# Altium PCB 磁导航.PcbDoc (part 3 of 3)
Units mm, origin at the board's own origin, x right, y up, seen from the top; angles counter-clockwise.
Board outline 190 x 34 mm, 2 copper layers (Top Layer, Bottom Layer); 294 components, 233 nets, 993 pads, 221 vias.
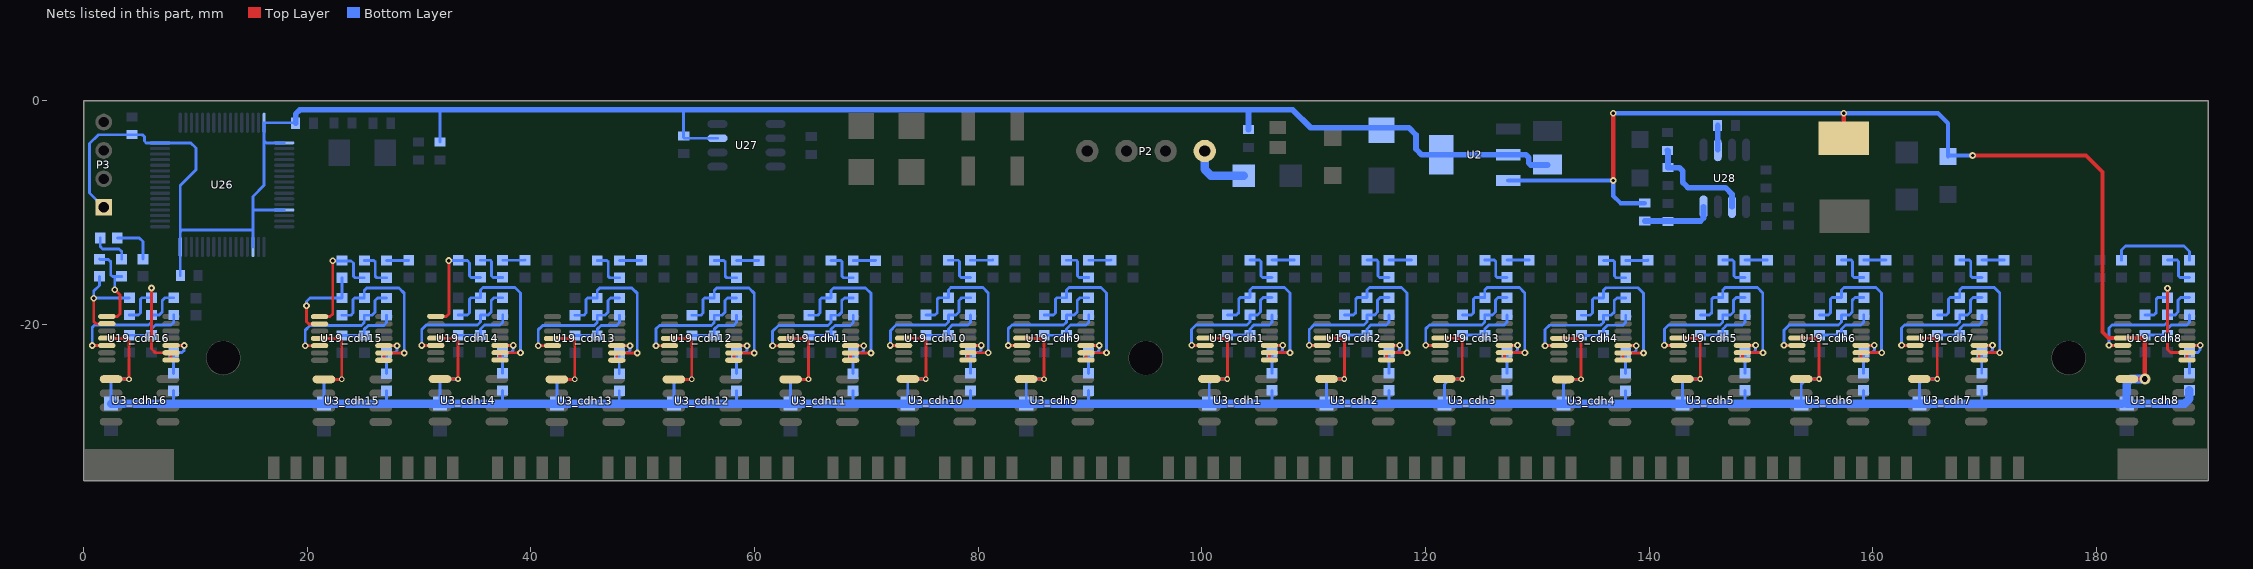
[diagram p3: the nets of this part, all layers, seen from the top]

## Via types
v1: diameter 0.6, hole 0.3, Top Layer to Bottom Layer, tented both sides, 158 vias
v2: diameter 0.6, hole 0.3, Top Layer to Bottom Layer, 47 vias
v3: diameter 0.5, hole 0.3, Top Layer to Bottom Layer, 15 vias
v4: diameter 1, hole 0.5, Top Layer to Bottom Layer, 1 vias

## Nets (pads, with @x,y where several pads share a name; then routed paths per layer and width w, separated by ;. In a path a pad name is that pad's centre, name@x,y a point inside that pad or via, vN(x,y) a via of type N, cw(c..) or ccw(c..) an arc to the next point about the centre after c; other vN are vias at no path point) (continued)
NetR3_cdh14_2: R3_cdh14.2 R4_cdh14.1 U19_cdh14.1 | length 10.2
  Top Layer w0.254: U19_cdh14.1@31.493,-19.278 32.432,-19.278 32.667,-19.043 v1(32.667,-14.293)
  Bottom Layer w0.254: v1(32.667,-14.293) 34.318,-14.293 34.521,-14.497 34.521,-15.665 34.656,-15.8 R4_cdh14.1@35.492,-15.8
NetR3_cdh15_1: R3_cdh15.1 R14_cdh15.1 U19_cdh15.2 | length 8.2
  Top Layer w0.254: v1@19.941,-18.313 19.941,-19.754 20.14,-19.953 U19_cdh15.2@21.105,-19.953
  Bottom Layer w0.254: v1(19.939,-18.339) 19.939,-17.958 20.259,-17.638 R14_cdh15.1@23.116,-17.638 R3_cdh15.1@23.116,-15.825
NetR3_cdh15_2: R3_cdh15.2 R4_cdh15.1 U19_cdh15.1 | length 10.2
  Top Layer w0.254: U19_cdh15.1@21.105,-19.303 22.044,-19.303 22.278,-19.069 v1(22.278,-14.319)
  Bottom Layer w0.254: v1(22.278,-14.319) 23.929,-14.319 24.132,-14.522 24.132,-15.69 24.267,-15.825 R4_cdh15.1@25.104,-15.825
NetR3_cdh16_1: R3_cdh16.1 R14_cdh16.1 U19_cdh16.2 | length 8.7
  Top Layer w0.254: v1(0.914,-17.653) 0.914,-19.736 1.113,-19.934 U19_cdh16.2@2.078,-19.934
  Bottom Layer w0.254: R3_cdh16.1@1.422,-15.705 1.422,-16.51 0.914,-17.018 v1(0.914,-17.653) 4.056,-17.653 R14_cdh16.1@4.089,-17.62
NetR3_cdh16_2: R3_cdh16.2 R4_cdh16.1 U19_cdh16.1 | length 8.1
  Top Layer w0.254: U19_cdh16.1@2.078,-19.284 3.017,-19.284 3.251,-19.05 3.251,-17.348 v2(2.794,-16.891)
  Bottom Layer w0.254: R3_cdh16.2@1.422,-14.165 1.456,-14.199 2.235,-14.199 2.438,-14.402 2.438,-15.57 2.573,-15.705 R4_cdh16.1@3.41,-15.705 ; v2(2.794,-16.891) 2.794,-15.731
NetR4_cdh1_2: R4_cdh1.2 R22_cdh1.1 | length 3.4
  Bottom Layer w0.254: R4_cdh1.2@104.287,-14.255 105.162,-14.255 105.271,-14.365 105.271,-15.66 105.406,-15.795 R22_cdh1.1@106.274,-15.795
NetR4_cdh2_2: R4_cdh2.2 R22_cdh2.1 | length 3.4
  Bottom Layer w0.254: R4_cdh2.2@114.752,-14.255 115.626,-14.255 115.736,-14.365 115.736,-15.66 115.871,-15.795 R22_cdh2.1@116.739,-15.795
NetR4_cdh3_2: R4_cdh3.2 R22_cdh3.1 | length 3.4
  Bottom Layer w0.254: R4_cdh3.2@125.293,-14.255 126.167,-14.255 126.277,-14.365 126.277,-15.66 126.412,-15.795 R22_cdh3.1@127.28,-15.795
NetR4_cdh4_2: R4_cdh4.2 R22_cdh4.1 | length 3.4
  Bottom Layer w0.254: R4_cdh4.2@135.91,-14.28 136.785,-14.28 136.894,-14.39 136.894,-15.685 137.029,-15.82 R22_cdh4.1@137.897,-15.82
NetR4_cdh5_2: R4_cdh5.2 R22_cdh5.1 | length 3.4
  Bottom Layer w0.254: R4_cdh5.2@146.578,-14.255 147.453,-14.255 147.562,-14.365 147.562,-15.66 147.697,-15.795 R22_cdh5.1@148.565,-15.795
NetR4_cdh6_2: R4_cdh6.2 R22_cdh6.1 | length 3.4
  Bottom Layer w0.254: R4_cdh6.2@157.195,-14.255 158.07,-14.255 158.179,-14.365 158.179,-15.66 158.314,-15.795 R22_cdh6.1@159.183,-15.795
NetR4_cdh7_2: R4_cdh7.2 R22_cdh7.1 | length 3.4
  Bottom Layer w0.254: R4_cdh7.2@167.762,-14.255 168.636,-14.255 168.746,-14.365 168.746,-15.66 168.881,-15.795 R22_cdh7.1@169.749,-15.795
NetR4_cdh8_2: R4_cdh8.2 R22_cdh8.1 | length 3.4
  Bottom Layer w0.254: R4_cdh8.2@186.329,-14.255 187.204,-14.255 187.313,-14.365 187.313,-15.66 187.448,-15.795 R22_cdh8.1@188.316,-15.795
NetR4_cdh9_2: R4_cdh9.2 R22_cdh9.1 | length 3.4
  Bottom Layer w0.254: R4_cdh9.2@87.89,-14.267 88.765,-14.267 88.875,-14.376 88.875,-15.672 89.01,-15.807 R22_cdh9.1@89.878,-15.807
NetR4_cdh10_2: R4_cdh10.2 R22_cdh10.1 | length 3.4
  Bottom Layer w0.254: R4_cdh10.2@77.326,-14.26 78.201,-14.26 78.31,-14.37 78.31,-15.665 78.445,-15.8 R22_cdh10.1@79.314,-15.8
NetR4_cdh11_2: R4_cdh11.2 R22_cdh11.1 | length 3.4
  Bottom Layer w0.254: R4_cdh11.2@66.836,-14.285 67.711,-14.285 67.82,-14.395 67.82,-15.69 67.955,-15.825 R22_cdh11.1@68.823,-15.825
NetR4_cdh12_2: R4_cdh12.2 R22_cdh12.1 | length 3.4
  Bottom Layer w0.254: R4_cdh12.2@56.397,-14.285 57.271,-14.285 57.381,-14.395 57.381,-15.69 57.516,-15.825 R22_cdh12.1@58.384,-15.825
NetR4_cdh13_2: R4_cdh13.2 R22_cdh13.1 | length 3.4
  Bottom Layer w0.254: R4_cdh13.2@45.932,-14.285 46.806,-14.285 46.916,-14.395 46.916,-15.69 47.051,-15.825 R22_cdh13.1@47.919,-15.825
NetR4_cdh14_2: R4_cdh14.2 R22_cdh14.1 | length 3.4
  Bottom Layer w0.254: R4_cdh14.2@35.492,-14.26 36.367,-14.26 36.477,-14.37 36.477,-15.665 36.612,-15.8 R22_cdh14.1@37.48,-15.8
NetR4_cdh15_2: R4_cdh15.2 R22_cdh15.1 | length 3.4
  Bottom Layer w0.254: R4_cdh15.2@25.104,-14.285 25.978,-14.285 26.088,-14.395 26.088,-15.69 26.223,-15.825 R22_cdh15.1@27.091,-15.825
NetR4_cdh16_2: R4_cdh16.2 R22_cdh16.1 | length 3.6
  Bottom Layer w0.254: R22_cdh16.1@1.491,-12.268 1.491,-13.04 1.709,-13.259 3.175,-13.259 3.41,-13.494 R4_cdh16.2@3.41,-14.165
NetR6_cdh1_2: R6_cdh1.2 R12_cdh1.1 R18_cdh1.2 | length 5.4
  Bottom Layer w0.254: R18_cdh1.2@102.299,-20.961 R6_cdh1.2@104.287,-20.961 104.287,-20.403 104.636,-20.054 106.033,-20.054 106.274,-19.813 R12_cdh1.1@106.274,-19.148
NetR6_cdh2_2: R6_cdh2.2 R12_cdh2.1 R18_cdh2.2 | length 5.4
  Bottom Layer w0.254: R18_cdh2.2@112.764,-20.961 R6_cdh2.2@114.752,-20.961 114.752,-20.403 115.101,-20.054 116.498,-20.054 116.739,-19.813 R12_cdh2.1@116.739,-19.148
NetR6_cdh3_2: R6_cdh3.2 R12_cdh3.1 R18_cdh3.2 | length 5.4
  Bottom Layer w0.254: R18_cdh3.2@123.305,-20.961 R6_cdh3.2@125.293,-20.961 125.293,-20.403 125.642,-20.054 127.039,-20.054 127.28,-19.813 R12_cdh3.1@127.28,-19.148
NetR6_cdh4_2: R6_cdh4.2 R12_cdh4.1 R18_cdh4.2 | length 5.4
  Bottom Layer w0.254: R18_cdh4.2@133.922,-20.986 R6_cdh4.2@135.91,-20.986 135.91,-20.429 136.259,-20.08 137.656,-20.08 137.897,-19.838 R12_cdh4.1@137.897,-19.173
NetR6_cdh5_2: R6_cdh5.2 R12_cdh5.1 R18_cdh5.2 | length 5.4
  Bottom Layer w0.254: R18_cdh5.2@144.59,-20.961 R6_cdh5.2@146.578,-20.961 146.578,-20.403 146.927,-20.054 148.324,-20.054 148.565,-19.813 R12_cdh5.1@148.565,-19.148
NetR6_cdh6_2: R6_cdh6.2 R12_cdh6.1 R18_cdh6.2 | length 5.4
  Bottom Layer w0.254: R18_cdh6.2@155.208,-20.961 R6_cdh6.2@157.195,-20.961 157.195,-20.403 157.544,-20.054 158.941,-20.054 159.183,-19.813 R12_cdh6.1@159.183,-19.148
NetR6_cdh7_2: R6_cdh7.2 R12_cdh7.1 R18_cdh7.2 | length 5.4
  Bottom Layer w0.254: R18_cdh7.2@165.774,-20.961 R6_cdh7.2@167.762,-20.961 167.762,-20.403 168.111,-20.054 169.508,-20.054 169.749,-19.813 R12_cdh7.1@169.749,-19.148
NetR6_cdh8_2: R6_cdh8.2 R12_cdh8.1 R18_cdh8.2 | length 5.4
  Bottom Layer w0.254: R18_cdh8.2@184.341,-20.961 R6_cdh8.2@186.329,-20.961 186.329,-20.403 186.678,-20.054 188.075,-20.054 188.316,-19.813 R12_cdh8.1@188.316,-19.148
NetR6_cdh9_2: R6_cdh9.2 R12_cdh9.1 R18_cdh9.2 | length 5.4
  Bottom Layer w0.254: R18_cdh9.2@85.903,-20.972 R6_cdh9.2@87.89,-20.972 87.89,-20.415 88.24,-20.066 89.637,-20.066 89.878,-19.825 R12_cdh9.1@89.878,-19.16
NetR6_cdh10_2: R6_cdh10.2 R12_cdh10.1 R18_cdh10.2 | length 5.4
  Bottom Layer w0.254: R18_cdh10.2@75.339,-20.966 R6_cdh10.2@77.326,-20.966 77.326,-20.408 77.675,-20.059 79.072,-20.059 79.314,-19.818 R12_cdh10.1@79.314,-19.153
NetR6_cdh11_2: R6_cdh11.2 R12_cdh11.1 R18_cdh11.2 | length 5.4
  Bottom Layer w0.254: R18_cdh11.2@64.848,-20.991 R6_cdh11.2@66.836,-20.991 66.836,-20.434 67.185,-20.085 68.582,-20.085 68.823,-19.843 R12_cdh11.1@68.823,-19.178
NetR6_cdh12_2: R6_cdh12.2 R12_cdh12.1 R18_cdh12.2 | length 5.4
  Bottom Layer w0.254: R18_cdh12.2@54.409,-20.991 R6_cdh12.2@56.397,-20.991 56.397,-20.434 56.746,-20.085 58.143,-20.085 58.384,-19.843 R12_cdh12.1@58.384,-19.178
NetR6_cdh13_2: R6_cdh13.2 R12_cdh13.1 R18_cdh13.2 | length 5.4
  Bottom Layer w0.254: R18_cdh13.2@43.944,-20.991 R6_cdh13.2@45.932,-20.991 45.932,-20.434 46.281,-20.085 47.678,-20.085 47.919,-19.843 R12_cdh13.1@47.919,-19.178
NetR6_cdh14_2: R6_cdh14.2 R12_cdh14.1 R18_cdh14.2 | length 5.4
  Bottom Layer w0.254: R18_cdh14.2@33.505,-20.966 R6_cdh14.2@35.492,-20.966 35.492,-20.408 35.842,-20.059 37.239,-20.059 37.48,-19.818 R12_cdh14.1@37.48,-19.153
NetR6_cdh15_2: R6_cdh15.2 R12_cdh15.1 R18_cdh15.2 | length 5.4
  Bottom Layer w0.254: R18_cdh15.2@23.116,-20.991 R6_cdh15.2@25.104,-20.991 25.104,-20.434 25.453,-20.085 26.85,-20.085 27.091,-19.843 R12_cdh15.1@27.091,-19.178
NetR6_cdh16_2: R6_cdh16.2 R12_cdh16.1 R18_cdh16.2 | length 5.4
  Bottom Layer w0.254: R18_cdh16.2@4.089,-20.972 R6_cdh16.2@6.077,-20.972 6.077,-20.415 6.426,-20.066 7.823,-20.066 8.064,-19.825 R12_cdh16.1@8.064,-19.16
NetR12_cdh1_2: R12_cdh1.2 R13_cdh1.1 U19_cdh1.5 | length 12
  Top Layer w0.254: v2(99.082,-21.873) U19_cdh1.5@100.288,-21.873
  Bottom Layer w0.254: v2(99.082,-21.873) 99.082,-20.45 99.478,-20.054 104.027,-20.054 104.287,-19.794 R13_cdh1.1@104.287,-19.148 104.984,-19.148 105.246,-18.886 105.246,-17.844 105.482,-17.608 R12_cdh1.2@106.274,-17.608
NetR12_cdh2_2: R12_cdh2.2 R13_cdh2.1 U19_cdh2.5 | length 11.9
  Top Layer w0.254: v2(109.604,-21.873) U19_cdh2.5@110.753,-21.873
  Bottom Layer w0.254: v2(109.604,-21.873) 109.604,-20.444 109.994,-20.054 114.491,-20.054 114.752,-19.794 R13_cdh2.1@114.752,-19.148 115.449,-19.148 115.711,-18.886 115.711,-17.844 115.947,-17.608 R12_cdh2.2@116.739,-17.608
NetR12_cdh3_2: R12_cdh3.2 R13_cdh3.1 U19_cdh3.5 | length 12.2
  Top Layer w0.254: v2(120.018,-21.873) U19_cdh3.5@121.294,-21.873
  Bottom Layer w0.254: v2(120.018,-21.873) 120.018,-20.393 120.357,-20.054 125.032,-20.054 125.293,-19.794 R13_cdh3.1@125.293,-19.148 125.99,-19.148 126.252,-18.886 126.252,-17.844 126.488,-17.608 R12_cdh3.2@127.28,-17.608
NetR12_cdh4_2: R12_cdh4.2 R13_cdh4.1 U19_cdh4.5 | length 12
  Top Layer w0.254: v2(130.686,-21.898) U19_cdh4.5@131.911,-21.898
  Bottom Layer w0.254: v2(130.686,-21.898) 130.686,-20.469 131.076,-20.08 135.65,-20.08 135.91,-19.819 R13_cdh4.1@135.91,-19.173 136.607,-19.173 136.869,-18.911 136.869,-17.87 137.105,-17.633 R12_cdh4.2@137.897,-17.633
NetR12_cdh5_2: R12_cdh5.2 R13_cdh5.1 U19_cdh5.5 | length 12
  Top Layer w0.254: v2(141.354,-21.873) U19_cdh5.5@142.579,-21.873
  Bottom Layer w0.254: v2(141.354,-21.873) 141.354,-20.418 141.718,-20.054 146.318,-20.054 146.578,-19.794 R13_cdh5.1@146.578,-19.148 147.275,-19.148 147.537,-18.886 147.537,-17.844 147.773,-17.608 R12_cdh5.2@148.565,-17.608
NetR12_cdh6_2: R12_cdh6.2 R13_cdh6.1 U19_cdh6.5 | length 11.8
  Top Layer w0.254: v2(152.048,-21.873) U19_cdh6.5@153.196,-21.873
  Bottom Layer w0.254: v2(152.048,-21.873) 152.048,-20.52 152.513,-20.054 156.935,-20.054 157.195,-19.794 R13_cdh6.1@157.195,-19.148 157.892,-19.148 158.154,-18.886 158.154,-17.844 158.391,-17.608 R12_cdh6.2@159.183,-17.608
NetR12_cdh7_2: R12_cdh7.2 R13_cdh7.1 U19_cdh7.5 | length 12.1
  Top Layer w0.254: v2(162.563,-21.873) U19_cdh7.5@163.763,-21.873
  Bottom Layer w0.254: v2(162.563,-21.873) 162.563,-20.317 162.826,-20.054 167.501,-20.054 167.762,-19.794 R13_cdh7.1@167.762,-19.148 168.458,-19.148 168.72,-18.886 168.72,-17.844 168.957,-17.608 R12_cdh7.2@169.749,-17.608
NetR12_cdh8_2: R12_cdh8.2 R13_cdh8.1 U19_cdh8.5 | length 12.1
  Top Layer w0.254: v2(181.105,-21.873) U19_cdh8.5@182.33,-21.873
  Bottom Layer w0.254: v2(181.105,-21.873) 181.105,-20.317 181.368,-20.054 186.069,-20.054 186.329,-19.794 R13_cdh8.1@186.329,-19.148 187.026,-19.148 187.288,-18.886 187.288,-17.844 187.524,-17.608 R12_cdh8.2@188.316,-17.608
NetR12_cdh9_2: R12_cdh9.2 R13_cdh9.1 U19_cdh9.5 | length 12
  Top Layer w0.254: v2(82.687,-21.884) U19_cdh9.5@83.891,-21.884
  Bottom Layer w0.254: v2(82.687,-21.884) 82.687,-20.386 83.007,-20.066 87.63,-20.066 87.89,-19.806 R13_cdh9.1@87.89,-19.16 88.587,-19.16 88.849,-18.898 88.849,-17.856 89.086,-17.62 R12_cdh9.2@89.878,-17.62
NetR12_cdh10_2: R12_cdh10.2 R13_cdh10.1 U19_cdh10.5 | length 11.9
  Top Layer w0.254: v2(72.144,-21.878) U19_cdh10.5@73.327,-21.878
  Bottom Layer w0.254: v2(72.144,-21.878) 72.144,-20.566 72.651,-20.059 77.066,-20.059 77.326,-19.799 R13_cdh10.1@77.326,-19.153 78.023,-19.153 78.285,-18.891 78.285,-17.849 78.522,-17.613 R12_cdh10.2@79.314,-17.613
NetR12_cdh11_2: R12_cdh11.2 R13_cdh11.1 U19_cdh11.5 | length 11.9
  Top Layer w0.254: v2(61.612,-21.903) U19_cdh11.5@62.837,-21.903
  Bottom Layer w0.254: v2(61.612,-21.903) 61.612,-20.608 62.135,-20.085 66.576,-20.085 66.836,-19.824 R13_cdh11.1@66.836,-19.178 67.533,-19.178 67.795,-18.916 67.795,-17.875 68.031,-17.638 R12_cdh11.2@68.823,-17.638
NetR12_cdh12_2: R12_cdh12.2 R13_cdh12.1 U19_cdh12.5 | length 12
  Top Layer w0.254: v2(51.189,-21.903) U19_cdh12.5@52.398,-21.903
  Bottom Layer w0.254: v2(51.189,-21.903) 51.189,-20.388 51.493,-20.085 56.136,-20.085 56.397,-19.824 R13_cdh12.1@56.397,-19.178 57.093,-19.178 57.355,-18.916 57.355,-17.875 57.592,-17.638 R12_cdh12.2@58.384,-17.638
NetR12_cdh13_2: R12_cdh13.2 R13_cdh13.1 U19_cdh13.5 | length 12.1
  Top Layer w0.254: v2(40.657,-21.903) U19_cdh13.5@41.933,-21.903
  Bottom Layer w0.254: v2(40.657,-21.903) 40.657,-20.481 41.053,-20.085 45.671,-20.085 45.932,-19.824 R13_cdh13.1@45.932,-19.178 46.629,-19.178 46.891,-18.916 46.891,-17.875 47.127,-17.638 R12_cdh13.2@47.919,-17.638
NetR12_cdh14_2: R12_cdh14.2 R13_cdh14.1 U19_cdh14.5 | length 12.1
  Top Layer w0.254: v2(30.234,-21.878) U19_cdh14.5@31.493,-21.878
  Bottom Layer w0.254: v2(30.234,-21.878) 30.234,-20.464 30.639,-20.059 35.232,-20.059 35.492,-19.799 R13_cdh14.1@35.492,-19.153 36.189,-19.153 36.451,-18.891 36.451,-17.849 36.688,-17.613 R12_cdh14.2@37.48,-17.613
NetR12_cdh15_2: R12_cdh15.2 R13_cdh15.1 U19_cdh15.5 | length 12.1
  Top Layer w0.254: v2(19.82,-21.903) U19_cdh15.5@21.105,-21.903
  Bottom Layer w0.254: v2(19.82,-21.903) 19.82,-20.515 20.251,-20.085 24.843,-20.085 25.104,-19.824 R13_cdh15.1@25.104,-19.178 25.801,-19.178 26.063,-18.916 26.063,-17.875 26.299,-17.638 R12_cdh15.2@27.091,-17.638
NetR12_cdh16_2: R12_cdh16.2 R13_cdh16.1 U19_cdh16.5 | length 12.3
  Top Layer w0.254: v2(0.772,-21.884) U19_cdh16.5@2.078,-21.884
  Bottom Layer w0.254: v2(0.772,-21.884) 0.772,-20.284 0.991,-20.066 5.817,-20.066 6.077,-19.806 R13_cdh16.1@6.077,-19.16 6.774,-19.16 7.036,-18.898 7.036,-17.856 7.272,-17.62 R12_cdh16.2@8.064,-17.62
NetR13_cdh1_2: R13_cdh1.2 R14_cdh1.2 U19_cdh1.8 U19_cdh1.9 | length 15.7
  Top Layer w0.254: U19_cdh1.8@106.038,-23.173 U19_cdh1.9@106.038,-22.523 v1(107.871,-22.523)
  Bottom Layer w0.254: R14_cdh1.2@102.299,-19.148 103.104,-19.148 103.29,-18.962 103.29,-17.743 103.425,-17.608 R13_cdh1.2@104.287,-17.608 104.287,-16.924 104.509,-16.701 107.379,-16.701 107.862,-17.184 v1@107.862,-22.504
NetR13_cdh2_2: R13_cdh2.2 R14_cdh2.2 U19_cdh2.8 U19_cdh2.9 | length 15.7
  Top Layer w0.254: U19_cdh2.8@116.503,-23.173 U19_cdh2.9@116.503,-22.523 v1(118.339,-22.523)
  Bottom Layer w0.254: R14_cdh2.2@112.764,-19.148 113.569,-19.148 113.755,-18.962 113.755,-17.743 113.89,-17.608 R13_cdh2.2@114.752,-17.608 114.752,-16.924 114.974,-16.701 117.844,-16.701 118.327,-17.184 v1@118.327,-22.504
NetR13_cdh3_2: R13_cdh3.2 R14_cdh3.2 U19_cdh3.8 U19_cdh3.9 | length 15.7
  Top Layer w0.254: U19_cdh3.8@127.044,-23.173 U19_cdh3.9@127.044,-22.523 v1(128.88,-22.523)
  Bottom Layer w0.254: R14_cdh3.2@123.305,-19.148 124.11,-19.148 124.296,-18.962 124.296,-17.743 124.431,-17.608 R13_cdh3.2@125.293,-17.608 125.293,-16.924 125.515,-16.701 128.385,-16.701 128.868,-17.184 v1@128.868,-22.53
NetR13_cdh4_2: R13_cdh4.2 R14_cdh4.2 U19_cdh4.8 U19_cdh4.9 | length 15.7
  Top Layer w0.254: U19_cdh4.8@137.661,-23.198 U19_cdh4.9@137.661,-22.548 139.478,-22.548 v1(139.485,-22.555)
  Bottom Layer w0.254: R14_cdh4.2@133.922,-19.173 134.727,-19.173 134.913,-18.987 134.913,-17.768 135.048,-17.633 R13_cdh4.2@135.91,-17.633 135.91,-16.949 136.132,-16.727 139.002,-16.727 139.485,-17.209 v1(139.485,-22.555)
NetR13_cdh5_2: R13_cdh5.2 R14_cdh5.2 U19_cdh5.8 U19_cdh5.9 | length 15.7
  Top Layer w0.254: U19_cdh5.8@148.329,-23.173 U19_cdh5.9@148.329,-22.523 v1(150.165,-22.523)
  Bottom Layer w0.254: R14_cdh5.2@144.59,-19.148 145.395,-19.148 145.581,-18.962 145.581,-17.743 145.716,-17.608 R13_cdh5.2@146.578,-17.608 146.578,-16.924 146.8,-16.701 149.67,-16.701 150.153,-17.184 v1@150.153,-22.53
NetR13_cdh6_2: R13_cdh6.2 R14_cdh6.2 U19_cdh6.8 U19_cdh6.9 | length 15.7
  Top Layer w0.254: U19_cdh6.8@158.946,-23.173 U19_cdh6.9@158.946,-22.523 v1(160.782,-22.523)
  Bottom Layer w0.254: R14_cdh6.2@155.208,-19.148 156.012,-19.148 156.198,-18.962 156.198,-17.743 156.333,-17.608 R13_cdh6.2@157.195,-17.608 157.195,-16.924 157.417,-16.701 160.288,-16.701 160.77,-17.184 v1@160.77,-22.53
NetR13_cdh7_2: R13_cdh7.2 R14_cdh7.2 U19_cdh7.8 U19_cdh7.9 | length 15.7
  Top Layer w0.254: U19_cdh7.8@169.513,-23.173 U19_cdh7.9@169.513,-22.523 v1(171.348,-22.523)
  Bottom Layer w0.254: R14_cdh7.2@165.774,-19.148 166.579,-19.148 166.765,-18.962 166.765,-17.743 166.9,-17.608 R13_cdh7.2@167.762,-17.608 167.762,-16.924 167.984,-16.701 170.854,-16.701 171.337,-17.184 v1@171.337,-22.504
NetR13_cdh8_2: R13_cdh8.2 R14_cdh8.2 U19_cdh8.8 U19_cdh8.9 | length 12.2
  Top Layer w0.254: v2(186.334,-16.764) 186.334,-22.225 186.632,-22.523 U19_cdh8.9@188.08,-22.523 U19_cdh8.8@188.08,-23.173
  Bottom Layer w0.254: R14_cdh8.2@184.341,-19.148 185.146,-19.148 185.332,-18.962 185.332,-17.743 185.467,-17.608 R13_cdh8.2@186.329,-17.608 186.334,-17.602 v2(186.334,-16.764)
NetR13_cdh9_2: R13_cdh9.2 R14_cdh9.2 U19_cdh9.8 U19_cdh9.9 | length 15.7
  Top Layer w0.254: U19_cdh9.8@89.641,-23.184 U19_cdh9.9@89.641,-22.534 v1(91.465,-22.53)
  Bottom Layer w0.254: R14_cdh9.2@85.903,-19.16 86.708,-19.16 86.893,-18.974 86.893,-17.755 87.028,-17.62 R13_cdh9.2@87.89,-17.62 87.89,-16.935 88.113,-16.713 90.983,-16.713 91.465,-17.196 v1(91.465,-22.53)
NetR13_cdh10_2: R13_cdh10.2 R14_cdh10.2 U19_cdh10.8 U19_cdh10.9 | length 15.7
  Top Layer w0.254: U19_cdh10.8@79.077,-23.178 U19_cdh10.9@79.077,-22.528 v1(80.901,-22.528)
  Bottom Layer w0.254: R14_cdh10.2@75.339,-19.153 76.143,-19.153 76.329,-18.967 76.329,-17.748 76.464,-17.613 R13_cdh10.2@77.326,-17.613 77.326,-16.929 77.548,-16.706 80.419,-16.706 80.901,-17.189 v1(80.901,-22.528)
NetR13_cdh11_2: R13_cdh11.2 R14_cdh11.2 U19_cdh11.8 U19_cdh11.9 | length 15.7
  Top Layer w0.254: U19_cdh11.8@68.587,-23.203 U19_cdh11.9@68.587,-22.553 v1(70.409,-22.553)
  Bottom Layer w0.254: R14_cdh11.2@64.848,-19.178 65.653,-19.178 65.839,-18.992 65.839,-17.773 65.974,-17.638 R13_cdh11.2@66.836,-17.638 66.836,-16.954 67.058,-16.732 69.928,-16.732 70.411,-17.214 v1@70.411,-22.555
NetR13_cdh12_2: R13_cdh12.2 R14_cdh12.2 U19_cdh12.8 U19_cdh12.9 | length 15.7
  Top Layer w0.254: U19_cdh12.8@58.148,-23.203 U19_cdh12.9@58.148,-22.553 v1(59.969,-22.553)
  Bottom Layer w0.254: R14_cdh12.2@54.409,-19.178 55.214,-19.178 55.4,-18.992 55.4,-17.773 55.535,-17.638 R13_cdh12.2@56.397,-17.638 56.397,-16.954 56.619,-16.732 59.489,-16.732 59.972,-17.214 v1@59.972,-22.555
NetR13_cdh13_2: R13_cdh13.2 R14_cdh13.2 U19_cdh13.8 U19_cdh13.9 | length 15.7
  Top Layer w0.254: U19_cdh13.8@47.683,-23.203 U19_cdh13.9@47.683,-22.553 v1(49.507,-22.553)
  Bottom Layer w0.254: R14_cdh13.2@43.944,-19.178 44.749,-19.178 44.935,-18.992 44.935,-17.773 45.07,-17.638 R13_cdh13.2@45.932,-17.638 45.932,-16.954 46.154,-16.732 49.024,-16.732 49.507,-17.214 v1(49.507,-22.553)
NetR13_cdh14_2: R13_cdh14.2 R14_cdh14.2 U19_cdh14.8 U19_cdh14.9 | length 15.7
  Top Layer w0.254: U19_cdh14.8@37.243,-23.178 U19_cdh14.9@37.243,-22.528 v1(39.067,-22.528)
  Bottom Layer w0.254: R14_cdh14.2@33.505,-19.153 34.31,-19.153 34.495,-18.967 34.495,-17.748 34.63,-17.613 R13_cdh14.2@35.492,-17.613 35.492,-16.929 35.715,-16.706 38.585,-16.706 39.067,-17.189 v1(39.067,-22.528)
NetR13_cdh15_2: R13_cdh15.2 R14_cdh15.2 U19_cdh15.8 U19_cdh15.9 | length 15.7
  Top Layer w0.254: U19_cdh15.8@26.855,-23.203 U19_cdh15.9@26.855,-22.553 v1(28.677,-22.553)
  Bottom Layer w0.254: R14_cdh15.2@23.116,-19.178 23.921,-19.178 24.107,-18.992 24.107,-17.773 24.242,-17.638 R13_cdh15.2@25.104,-17.638 25.104,-16.954 25.326,-16.732 28.196,-16.732 28.679,-17.214 v1@28.679,-22.553
NetR13_cdh16_2: R13_cdh16.2 R14_cdh16.2 U19_cdh16.8 U19_cdh16.9 | length 12.2
  Top Layer w0.254: v1(6.071,-16.739) 6.071,-22.2 6.405,-22.534 U19_cdh16.9@7.828,-22.534 U19_cdh16.8@7.828,-23.184
  Bottom Layer w0.254: R14_cdh16.2@4.089,-19.16 4.894,-19.16 5.08,-18.974 5.08,-17.755 5.215,-17.62 R13_cdh16.2@6.077,-17.62 6.071,-17.613 v1(6.071,-16.739)
NetR16_cdh1_1: R16_cdh1.1 R22_cdh1.2 | length 2
  Bottom Layer w0.254: R22_cdh1.2@106.274,-14.255 108.237,-14.255 R16_cdh1.1@108.262,-14.23
NetR16_cdh2_1: R16_cdh2.1 R22_cdh2.2 | length 2
  Bottom Layer w0.254: R22_cdh2.2@116.739,-14.255 118.701,-14.255 R16_cdh2.1@118.727,-14.23
NetR16_cdh3_1: R16_cdh3.1 R22_cdh3.2 | length 2
  Bottom Layer w0.254: R22_cdh3.2@127.28,-14.255 129.242,-14.255 R16_cdh3.1@129.268,-14.23
NetR16_cdh4_1: R16_cdh4.1 R22_cdh4.2 | length 2
  Bottom Layer w0.254: R22_cdh4.2@137.897,-14.28 139.86,-14.28 R16_cdh4.1@139.885,-14.255
NetR16_cdh5_1: R16_cdh5.1 R22_cdh5.2 | length 2
  Bottom Layer w0.254: R22_cdh5.2@148.565,-14.255 150.528,-14.255 R16_cdh5.1@150.553,-14.23
NetR16_cdh6_1: R16_cdh6.1 R22_cdh6.2 | length 2
  Bottom Layer w0.254: R22_cdh6.2@159.183,-14.255 161.145,-14.255 R16_cdh6.1@161.17,-14.23
NetR16_cdh7_1: R16_cdh7.1 R22_cdh7.2 | length 2
  Bottom Layer w0.254: R22_cdh7.2@169.749,-14.255 171.711,-14.255 R16_cdh7.1@171.737,-14.23
NetR16_cdh8_1: R16_cdh8.1 R22_cdh8.2 | length 8.2
  Bottom Layer w0.254: R16_cdh8.1@182.22,-14.267 182.22,-13.335 182.575,-12.979 187.808,-12.979 188.316,-13.488 R22_cdh8.2@188.316,-14.267
NetR16_cdh9_1: R16_cdh9.1 R22_cdh9.2 | length 2
  Bottom Layer w0.254: R22_cdh9.2@89.878,-14.267 91.84,-14.267 R16_cdh9.1@91.865,-14.241
NetR16_cdh10_1: R16_cdh10.1 R22_cdh10.2 | length 2
  Bottom Layer w0.254: R22_cdh10.2@79.314,-14.26 81.276,-14.26 R16_cdh10.1@81.301,-14.235
NetR16_cdh11_1: R16_cdh11.1 R22_cdh11.2 | length 2
  Bottom Layer w0.254: R22_cdh11.2@68.823,-14.285 70.786,-14.285 R16_cdh11.1@70.811,-14.26
NetR16_cdh12_1: R16_cdh12.1 R22_cdh12.2 | length 2
  Bottom Layer w0.254: R22_cdh12.2@58.384,-14.285 60.346,-14.285 R16_cdh12.1@60.372,-14.26
NetR16_cdh13_1: R16_cdh13.1 R22_cdh13.2 | length 2
  Bottom Layer w0.254: R22_cdh13.2@47.919,-14.285 49.881,-14.285 R16_cdh13.1@49.907,-14.26
NetR16_cdh14_1: R16_cdh14.1 R22_cdh14.2 | length 2
  Bottom Layer w0.254: R22_cdh14.2@37.48,-14.26 39.442,-14.26 R16_cdh14.1@39.467,-14.235
NetR16_cdh15_1: R16_cdh15.1 R22_cdh15.2 | length 2
  Bottom Layer w0.254: R22_cdh15.2@27.091,-14.285 29.053,-14.285 R16_cdh15.1@29.079,-14.26
NetR16_cdh16_1: R16_cdh16.1 R22_cdh16.2 | length 4
  Bottom Layer w0.254: R22_cdh16.2@3.031,-12.268 4.978,-12.268 5.309,-12.598 R16_cdh16.1@5.309,-14.165
NetR24_cdh1_1: R24_cdh1.1 R26_cdh1.2 U19_cdh1.10 | length 4.5
  Top Layer w0.254: U19_cdh1.10@106.038,-21.873 v1(107.217,-21.873)
  Bottom Layer w0.254: R24_cdh1.1@106.262,-24.364 106.262,-22.513 R26_cdh1.2@106.274,-22.501 107.016,-22.501 107.217,-22.3 v1(107.217,-21.873)
NetR24_cdh2_1: R24_cdh2.1 R26_cdh2.2 U19_cdh2.10 | length 4.5
  Top Layer w0.254: U19_cdh2.10@116.503,-21.873 v1(117.681,-21.873)
  Bottom Layer w0.254: R24_cdh2.1@116.727,-24.364 116.727,-22.513 R26_cdh2.2@116.739,-22.501 117.481,-22.501 117.681,-22.3 v1(117.681,-21.873)
NetR24_cdh3_1: R24_cdh3.1 R26_cdh3.2 U19_cdh3.10 | length 4.5
  Top Layer w0.254: U19_cdh3.10@127.044,-21.873 v1(128.222,-21.873)
  Bottom Layer w0.254: R24_cdh3.1@127.268,-24.364 127.268,-22.513 R26_cdh3.2@127.28,-22.501 128.022,-22.501 128.222,-22.3 v1(128.222,-21.873)
NetR24_cdh4_1: R24_cdh4.1 R26_cdh4.2 U19_cdh4.10 | length 4.5
  Top Layer w0.254: U19_cdh4.10@137.661,-21.898 v1(138.84,-21.898)
  Bottom Layer w0.254: R24_cdh4.1@137.885,-24.39 137.885,-22.539 R26_cdh4.2@137.897,-22.526 138.639,-22.526 138.84,-22.325 v1(138.84,-21.898)
NetR24_cdh5_1: R24_cdh5.1 R26_cdh5.2 U19_cdh5.10 | length 4.5
  Top Layer w0.254: U19_cdh5.10@148.329,-21.873 v1(149.508,-21.873)
  Bottom Layer w0.254: R24_cdh5.1@148.553,-24.364 148.553,-22.513 R26_cdh5.2@148.565,-22.501 149.307,-22.501 149.508,-22.3 v1(149.508,-21.873)
NetR24_cdh6_1: R24_cdh6.1 R26_cdh6.2 U19_cdh6.10 | length 4.5
  Top Layer w0.254: U19_cdh6.10@158.946,-21.873 v1(160.125,-21.873)
  Bottom Layer w0.254: R24_cdh6.1@159.17,-24.364 159.17,-22.513 R26_cdh6.2@159.183,-22.501 159.924,-22.501 160.125,-22.3 v1(160.125,-21.873)
NetR24_cdh7_1: R24_cdh7.1 R26_cdh7.2 U19_cdh7.10 | length 4.5
  Top Layer w0.254: U19_cdh7.10@169.513,-21.873 v1(170.691,-21.873)
  Bottom Layer w0.254: R24_cdh7.1@169.736,-24.364 169.736,-22.513 R26_cdh7.2@169.749,-22.501 170.49,-22.501 170.691,-22.3 v1(170.691,-21.873)
NetR24_cdh8_1: R24_cdh8.1 R26_cdh8.2 U19_cdh8.10 | length 4.5
  Top Layer w0.254: U19_cdh8.10@188.08,-21.873 v1(189.259,-21.873)
  Bottom Layer w0.254: R24_cdh8.1@188.304,-24.364 188.304,-22.513 R26_cdh8.2@188.316,-22.501 189.058,-22.501 189.259,-22.3 v1(189.259,-21.873)
NetR24_cdh9_1: R24_cdh9.1 R26_cdh9.2 U19_cdh9.10 | length 4.5
  Top Layer w0.254: U19_cdh9.10@89.641,-21.884 v1(90.82,-21.884)
  Bottom Layer w0.254: R24_cdh9.1@89.865,-24.376 89.865,-22.525 R26_cdh9.2@89.878,-22.512 90.619,-22.512 90.82,-22.312 v1(90.82,-21.884)
NetR24_cdh10_1: R24_cdh10.1 R26_cdh10.2 U19_cdh10.10 | length 4.5
  Top Layer w0.254: U19_cdh10.10@79.077,-21.878 v1(80.256,-21.878)
  Bottom Layer w0.254: R24_cdh10.1@79.301,-24.369 79.301,-22.518 R26_cdh10.2@79.314,-22.506 80.055,-22.506 80.256,-22.305 v1(80.256,-21.878)
NetR24_cdh11_1: R24_cdh11.1 R26_cdh11.2 U19_cdh11.10 | length 4.5
  Top Layer w0.254: U19_cdh11.10@68.587,-21.903 v1(69.766,-21.903)
  Bottom Layer w0.254: R24_cdh11.1@68.811,-24.395 68.811,-22.544 R26_cdh11.2@68.823,-22.531 69.565,-22.531 69.766,-22.33 v1(69.766,-21.903)
NetR24_cdh12_1: R24_cdh12.1 R26_cdh12.2 U19_cdh12.10 | length 4.5
  Top Layer w0.254: U19_cdh12.10@58.148,-21.903 v1(59.326,-21.903)
  Bottom Layer w0.254: R24_cdh12.1@58.371,-24.395 58.371,-22.544 R26_cdh12.2@58.384,-22.531 59.125,-22.531 59.326,-22.33 v1(59.326,-21.903)
NetR24_cdh13_1: R24_cdh13.1 R26_cdh13.2 U19_cdh13.10 | length 4.5
  Top Layer w0.254: U19_cdh13.10@47.683,-21.903 v1(48.861,-21.903)
  Bottom Layer w0.254: R24_cdh13.1@47.907,-24.395 47.907,-22.544 R26_cdh13.2@47.919,-22.531 48.661,-22.531 48.861,-22.33 v1(48.861,-21.903)
NetR24_cdh14_1: R24_cdh14.1 R26_cdh14.2 U19_cdh14.10 | length 4.5
  Top Layer w0.254: U19_cdh14.10@37.243,-21.878 v1(38.422,-21.878)
  Bottom Layer w0.254: R24_cdh14.1@37.467,-24.369 37.467,-22.518 R26_cdh14.2@37.48,-22.506 38.221,-22.506 38.422,-22.305 v1(38.422,-21.878)
NetR24_cdh15_1: R24_cdh15.1 R26_cdh15.2 U19_cdh15.10 | length 4.5
  Top Layer w0.254: U19_cdh15.10@26.855,-21.903 v1(28.033,-21.903)
  Bottom Layer w0.254: R24_cdh15.1@27.079,-24.395 27.079,-22.544 R26_cdh15.2@27.091,-22.531 27.833,-22.531 28.033,-22.33 v1(28.033,-21.903)
NetR24_cdh16_1: R24_cdh16.1 R26_cdh16.2 U19_cdh16.10 | length 4.5
  Top Layer w0.254: U19_cdh16.10@7.828,-21.884 v1(9.007,-21.884)
  Bottom Layer w0.254: R24_cdh16.1@8.052,-24.376 8.052,-22.525 R26_cdh16.2@8.064,-22.512 8.806,-22.512 9.007,-22.312 v1(9.007,-21.884)
NetR107_2: R107.2 R109.1 U28.2 | length 10
  Bottom Layer w0.508: R107.2@141.63,-4.432 141.681,-4.483 R109.1@141.681,-5.982 142.685,-5.982 143.002,-6.299 143.002,-7.315 143.459,-7.772 146.812,-7.772 147.396,-8.357 U28.2@147.396,-9.474
NetR108_1: R108.1 R110.1 U28.4 | length 6.4
  Bottom Layer w0.508: R108.1@139.598,-10.757 144.59,-10.757 144.856,-10.49 U28.4@144.856,-9.474
NetR111_1: R111.1 U28.6 | length 2.2
  Bottom Layer w0.508: R111.1@146.114,-2.21 146.126,-2.222 U28.6@146.126,-4.394
VCC3.3: C12.1 C13.1 C15.1 C19.1 C20.1 D13.2 P3.1 R106.1 R113.2 U2.2 U26.1 U26.13 U26.19 U26.32 U26.48 U26.64 U27.3 | length 180.3
  Bottom Layer w0.254: P3.1@1.803,-9.525 0.533,-8.255 0.533,-3.835 1.334,-3.035 C13.1@4.343,-3.035 5.245,-3.035 5.436,-3.226 5.436,-3.607 5.597,-3.768 U26.48@6.845,-3.768 9.585,-3.768 10.044,-4.227 10.044,-6.172 8.645,-7.571 8.645,-11.726 ; C12.1@8.645,-15.617 U26.32@8.645,-13.068 8.645,-11.726 ; U26.19@15.145,-13.068 15.145,-11.532 ; U26.13@17.945,-9.768 15.145,-9.768 ; U26.1@17.945,-3.768 16.367,-3.768 16.145,-3.547 ; C15.1@18.695,-1.968 U26.64@16.145,-1.968 16.145,-3.547 ; 31.871,-0.813 31.877,-0.819 R113.2@31.877,-3.696 ; 53.619,-0.813 53.645,-0.838 53.645,-3.264 53.734,-3.353 U27.3@56.684,-3.353 ; 8.645,-11.726 8.814,-11.557 15.12,-11.557 15.145,-11.532 ; 15.145,-11.532 15.145,-9.768 ; 15.145,-9.768 15.145,-8.553 16.145,-7.553 16.145,-3.547
  Bottom Layer w0.508: C15.1@18.961,-2.016 18.961,-1.181 19.329,-0.813 31.871,-0.813 53.619,-0.813 104.165,-0.813 ; R106.1@104.165,-2.578 104.165,-0.813 ; C20.1@130.901,-5.74 129.402,-5.74 129.224,-5.563 129.224,-5.08 128.97,-4.826 U2.2@127.398,-4.826 U2.2@121.398,-4.826 119.649,-4.826 119.141,-4.318 119.141,-3.048 118.505,-2.413 116.042,-2.413 109.728,-2.413 108.128,-0.813 104.165,-0.813
VCC8: C2_cdh1.2 C2_cdh2.2 C2_cdh3.2 C2_cdh4.2 C2_cdh5.2 C2_cdh6.2 C2_cdh7.2 C2_cdh8.2 C2_cdh9.2 C2_cdh10.2 C2_cdh11.2 C2_cdh12.2 C2_cdh13.2 C2_cdh14.2 C2_cdh15.2 C2_cdh16.2 C21.2 L1.2 R24_cdh1.2 R24_cdh2.2 R24_cdh3.2 R24_cdh4.2 R24_cdh5.2 R24_cdh6.2 R24_cdh7.2 R24_cdh8.2 R24_cdh9.2 R24_cdh10.2 R24_cdh11.2 R24_cdh12.2 R24_cdh13.2 R24_cdh14.2 R24_cdh15.2 R24_cdh16.2 R108.2 U2.3 U3_cdh1.1 U3_cdh2.1 U3_cdh3.1 U3_cdh4.1 U3_cdh5.1 U3_cdh6.1 U3_cdh7.1 U3_cdh8.1 U3_cdh9.1 U3_cdh10.1 U3_cdh11.1 U3_cdh12.1 U3_cdh13.1 U3_cdh14.1 U3_cdh15.1 U3_cdh16.1 U19_cdh1.4 U19_cdh2.4 U19_cdh3.4 U19_cdh4.4 U19_cdh5.4 U19_cdh6.4 U19_cdh7.4 U19_cdh8.4 U19_cdh9.4 U19_cdh10.4 U19_cdh11.4 U19_cdh12.4 U19_cdh13.4 U19_cdh14.4 U19_cdh15.4 U19_cdh16.4 | length 457.2
  Top Layer w0.254: U19_cdh16.4@2.398,-21.224 2.423,-21.249 3.785,-21.249 4.064,-21.529 v3(4.064,-24.892) U3_cdh16.1@2.464,-24.892 ; U19_cdh15.4@21.424,-21.242 21.45,-21.268 22.811,-21.268 23.091,-21.547 v3(23.091,-24.911) U3_cdh15.1@21.491,-24.911 ; U19_cdh14.4@31.813,-21.217 31.838,-21.242 33.2,-21.242 33.479,-21.522 v3(33.479,-24.885) U3_cdh14.1@31.879,-24.885 ; U19_cdh13.4@42.252,-21.242 42.278,-21.268 43.639,-21.268 43.919,-21.547 v3(43.919,-24.911) U3_cdh13.1@42.319,-24.911 ; U19_cdh12.4@52.717,-21.242 52.743,-21.268 54.104,-21.268 54.384,-21.547 v3(54.384,-24.911) U3_cdh12.1@52.783,-24.911 ; U19_cdh11.4@63.157,-21.242 63.182,-21.268 64.544,-21.268 64.823,-21.547 v3(64.823,-24.911) U3_cdh11.1@63.223,-24.911 ; U19_cdh10.4@73.647,-21.217 73.672,-21.242 75.034,-21.242 75.313,-21.522 v3(75.313,-24.885) U3_cdh10.1@73.713,-24.885 ; U19_cdh9.4@84.211,-21.224 84.236,-21.249 85.598,-21.249 85.877,-21.529 v3(85.877,-24.892) U3_cdh9.1@84.277,-24.892 ; U19_cdh1.4@100.608,-21.212 100.633,-21.237 101.995,-21.237 102.274,-21.517 v3(102.274,-24.88) U3_cdh1.1@100.674,-24.88 ; U19_cdh2.4@111.072,-21.212 111.098,-21.237 112.459,-21.237 112.739,-21.517 v3(112.739,-24.88) U3_cdh2.1@111.139,-24.88 ; U19_cdh3.4@121.613,-21.212 121.639,-21.237 123,-21.237 123.28,-21.517 v3(123.28,-24.88) U3_cdh3.1@121.68,-24.88 ; U19_cdh4.4@132.231,-21.237 132.256,-21.263 133.618,-21.263 133.897,-21.542 v3(133.897,-24.906) U3_cdh4.1@132.297,-24.906 ; U19_cdh5.4@142.899,-21.212 142.924,-21.237 144.286,-21.237 144.565,-21.517 v3(144.565,-24.88) U3_cdh5.1@142.965,-24.88 ; U19_cdh6.4@153.516,-21.212 153.541,-21.237 154.903,-21.237 155.182,-21.517 v3(155.182,-24.88) U3_cdh6.1@153.582,-24.88 ; U19_cdh7.4@164.082,-21.212 164.108,-21.237 165.469,-21.237 165.749,-21.517 v3(165.749,-24.88) U3_cdh7.1@164.148,-24.88
  Top Layer w0.381: v2(136.779,-7.137) v2(136.779,-1.118) ; L1.2@157.399,-3.338 v2(157.399,-1.123) ; v2(168.91,-4.902) 179.045,-4.902 180.523,-6.381 180.523,-20.681 181.065,-21.223 U19_cdh8.4@182.33,-21.223 184.022,-21.223 184.316,-21.517 v4(184.316,-24.88) U3_cdh8.1@182.716,-24.88
  Bottom Layer w0.254: C2_cdh16.2@2.464,-27.076 2.464,-25.146 2.718,-24.892 v3(4.064,-24.892) ; 8.052,-27.076 R24_cdh16.2@8.052,-25.916 ; C2_cdh15.2@21.502,-27.081 21.502,-25.151 21.743,-24.911 v3(23.091,-24.911) ; 27.079,-27.081 R24_cdh15.2@27.079,-25.935 ; C2_cdh14.2@31.866,-27.081 31.866,-25.227 32.208,-24.885 v3(33.479,-24.885) ; 37.467,-27.081 R24_cdh14.2@37.467,-25.909 ; C2_cdh13.2@42.33,-27.081 42.33,-25.303 42.723,-24.911 v3(43.919,-24.911) ; 47.907,-27.081 R24_cdh13.2@47.907,-25.935 ; C2_cdh12.2@52.795,-27.081 52.795,-25.253 53.137,-24.911 v3(54.384,-24.911) ; 58.371,-27.081 R24_cdh12.2@58.371,-25.935 ; C2_cdh11.2@63.209,-27.081 63.209,-25.253 63.551,-24.911 v3(64.823,-24.911) ; 68.811,-27.081 R24_cdh11.2@68.811,-25.935 ; C2_cdh10.2@73.699,-27.081 73.699,-25.176 73.991,-24.885 v3(75.313,-24.885) ; 79.301,-27.081 R24_cdh10.2@79.301,-25.909 ; C2_cdh9.2@84.291,-27.081 84.291,-25.253 84.652,-24.892 v3(85.877,-24.892) ; 89.865,-27.081 R24_cdh9.2@89.865,-25.916 ; C2_cdh1.2@100.66,-27.076 100.66,-25.298 101.078,-24.88 v3(102.274,-24.88) ; 106.262,-27.076 R24_cdh1.2@106.262,-25.904 ; C2_cdh2.2@111.15,-27.076 111.15,-25.197 111.467,-24.88 v3(112.739,-24.88) ; 116.727,-27.076 R24_cdh2.2@116.727,-25.904 ; C2_cdh3.2@121.691,-27.076 121.691,-25.375 122.186,-24.88 v3(123.28,-24.88) ; 127.268,-27.076 R24_cdh3.2@127.268,-25.904 ; C2_cdh4.2@132.334,-27.076 132.334,-25.349 132.778,-24.906 v3(133.897,-24.906) ; 137.885,-27.076 R24_cdh4.2@137.885,-25.93 ; C2_cdh5.2@142.977,-27.076 142.977,-25.248 143.344,-24.88 v3(144.565,-24.88) ; 148.553,-27.076 R24_cdh5.2@148.553,-25.904 ; C2_cdh6.2@153.594,-27.076 153.594,-25.349 154.063,-24.88 v3(155.182,-24.88) ; 159.17,-27.076 R24_cdh6.2@159.17,-25.904 ; C2_cdh7.2@164.16,-27.076 164.16,-25.282 164.562,-24.88 v3(165.749,-24.88) ; 169.736,-27.076 R24_cdh7.2@169.736,-25.904
  Bottom Layer w0.381: U2.3@127.398,-7.126 v2(136.779,-7.137) 136.779,-8.509 137.427,-9.157 R108.2@139.598,-9.157 ; v2(136.779,-1.118) 165.811,-1.118 166.71,-2.017 C21.2@166.71,-4.973 166.781,-4.902 v2(168.91,-4.902)
  Bottom Layer w0.762: C2_cdh16.2@2.464,-27.076 8.052,-27.076 19.66,-27.076 19.665,-27.081 C2_cdh15.2@21.502,-27.081 27.079,-27.081 C2_cdh14.2@31.866,-27.081 37.467,-27.081 C2_cdh13.2@42.33,-27.081 47.907,-27.081 C2_cdh12.2@52.795,-27.081 58.371,-27.081 C2_cdh11.2@63.209,-27.081 68.811,-27.081 C2_cdh10.2@73.699,-27.081 79.301,-27.081 C2_cdh9.2@84.291,-27.081 89.865,-27.081 ; 88.022,-27.076 106.262,-27.076 C2_cdh2.2@111.15,-27.076 116.727,-27.076 C2_cdh3.2@121.691,-27.076 127.268,-27.076 C2_cdh4.2@132.334,-27.076 137.885,-27.076 C2_cdh5.2@142.977,-27.076 148.553,-27.076 C2_cdh6.2@153.594,-27.076 159.17,-27.076 C2_cdh7.2@164.16,-27.076 169.736,-27.076 C2_cdh8.2@182.27,-27.076 ; v4(184.316,-24.88) 183.07,-24.88 182.702,-25.248 C2_cdh8.2@182.702,-27.076 187.884,-27.076 188.304,-26.656 R24_cdh8.2@188.304,-25.904
VCC24: D11.1 P2.1 | length 5.4
  Bottom Layer w0.762: P2.1@100.254,-4.496 100.254,-6.147 100.813,-6.706 D11.1@103.742,-6.706
pads on no net: U3_cdh1.5 U3_cdh1.6 U3_cdh1.7 U3_cdh1.8 U3_cdh2.5 U3_cdh2.6 U3_cdh2.7 U3_cdh2.8 U3_cdh3.5 U3_cdh3.6 U3_cdh3.7 U3_cdh3.8 U3_cdh4.5 U3_cdh4.6 U3_cdh4.7 U3_cdh4.8 U3_cdh5.5 U3_cdh5.6 U3_cdh5.7 U3_cdh5.8 U3_cdh6.5 U3_cdh6.6 U3_cdh6.7 U3_cdh6.8 U3_cdh7.5 U3_cdh7.6 U3_cdh7.7 U3_cdh7.8 U3_cdh8.5 U3_cdh8.6 U3_cdh8.7 U3_cdh8.8 U3_cdh9.5 U3_cdh9.6 U3_cdh9.7 U3_cdh9.8 U3_cdh10.5 U3_cdh10.6 U3_cdh10.7 U3_cdh10.8 U3_cdh11.5 U3_cdh11.6 U3_cdh11.7 U3_cdh11.8 U3_cdh12.5 U3_cdh12.6 U3_cdh12.7 U3_cdh12.8 U3_cdh13.5 U3_cdh13.6 U3_cdh13.7 U3_cdh13.8 U3_cdh14.5 U3_cdh14.6 U3_cdh14.7 U3_cdh14.8 U3_cdh15.5 U3_cdh15.6 U3_cdh15.7 U3_cdh15.8 U3_cdh16.5 U3_cdh16.6 U3_cdh16.7 U3_cdh16.8 U19_cdh1.12 U19_cdh1.13 U19_cdh1.14 U19_cdh2.12 U19_cdh2.13 U19_cdh2.14 U19_cdh3.12 U19_cdh3.13 U19_cdh3.14 U19_cdh4.12 U19_cdh4.13 U19_cdh4.14 U19_cdh5.12 U19_cdh5.13 U19_cdh5.14 U19_cdh6.12 U19_cdh6.13 U19_cdh6.14 U19_cdh7.12 U19_cdh7.13 U19_cdh7.14 U19_cdh8.12 U19_cdh8.13 U19_cdh8.14 U19_cdh9.12 U19_cdh9.13 U19_cdh9.14 U19_cdh10.12 U19_cdh10.13 U19_cdh10.14 U19_cdh11.12 U19_cdh11.13 U19_cdh11.14 U19_cdh12.12 U19_cdh12.13 U19_cdh12.14 U19_cdh13.12 U19_cdh13.13 U19_cdh13.14 U19_cdh14.12 U19_cdh14.13 U19_cdh14.14 U19_cdh15.12 U19_cdh15.13 U19_cdh15.14 U19_cdh16.12 U19_cdh16.13 U19_cdh16.14 U26.2 U26.3 U26.4 U26.28 U26.29 U26.30 U26.33 U26.34 U26.35 U26.36 U26.37 U26.38 U26.39 U26.40 U26.41 U26.42 U26.43 U26.50 U26.51 U26.52 U26.53 U26.54 U26.55 U26.56 U26.57 U26.58 U26.59 U26.61 U26.62 U27.5

## Polygon pours and split planes (outlines as drawn)
GND on Top Layer "Top Layer-No Net" (hatched 90Degree grid 0.2 track 0.2, remove dead copper, pour order 14): 0,0 190,0 190,-34 0,-34 0,0
GND on Bottom Layer "Top Layer-No Net" (hatched 90Degree grid 0.2 track 0.2, remove dead copper, pour order 16): 0,0 190,0 190,-34 0,-34 0,0

## Keep-outs
Keep-Out Layer:
  lines w0.254: 0,-34 0,0 190,0 190,-34 0.015,-34

## Other copper
Top Layer:
  pour cut-out: 153.899,-3.353 160.909,-3.353 160.934,-3.378 160.934,-10.338 153.924,-10.338 153.899,-10.312
Bottom Layer:
  pour cut-out: 153.899,-3.327 160.884,-3.327 160.909,-3.353 160.909,-10.338 153.924,-10.338 153.899,-10.312

## Silkscreen, mask and mechanical layers (free items; w line width, h text height)
Top Overlay:
  circle w0.1: c89.732,-7.381 r1
  circle w0.1: c177.497,-23 r2.6
  circle w0.1: c93.232,-7.355 r1
  circle w0.1: c100.41,-7.381 r1
  circle w0.1: c96.732,-7.355 r1
  circle w0.1: c4.434,-6.991 r1
  circle w0.1: c4.434,-9.632 r1
  circle w0.254: c12.497,-23 r3
  circle w0.254: c94.997,-23 r3
  text "TVS方向更正" at 174.625,-3.404 h2.5
  text "-" at 4.928,-7.337 h1 r90
  text "L" at 93.044,-7.849 h1.2
  text "-" at 96.245,-7.874 h1.2
  text "+" at 99.928,-7.899 h1.2
  text "H" at 89.361,-7.976 h1.2
  text "3" at 4.877,-10.004 h1 r90
Bottom Overlay:
  circle w0.254: c177.497,-23 r3
  circle w0.254: c12.497,-23 r2.7
  text "CDH03" at 188.32,-32.258 h0.7
  text "VER:180704" at 189.209,-33.452 h0.7